# Altium PCB Блок 1а (БУ АРМ).PcbDoc (part 1 of 4) (continued)
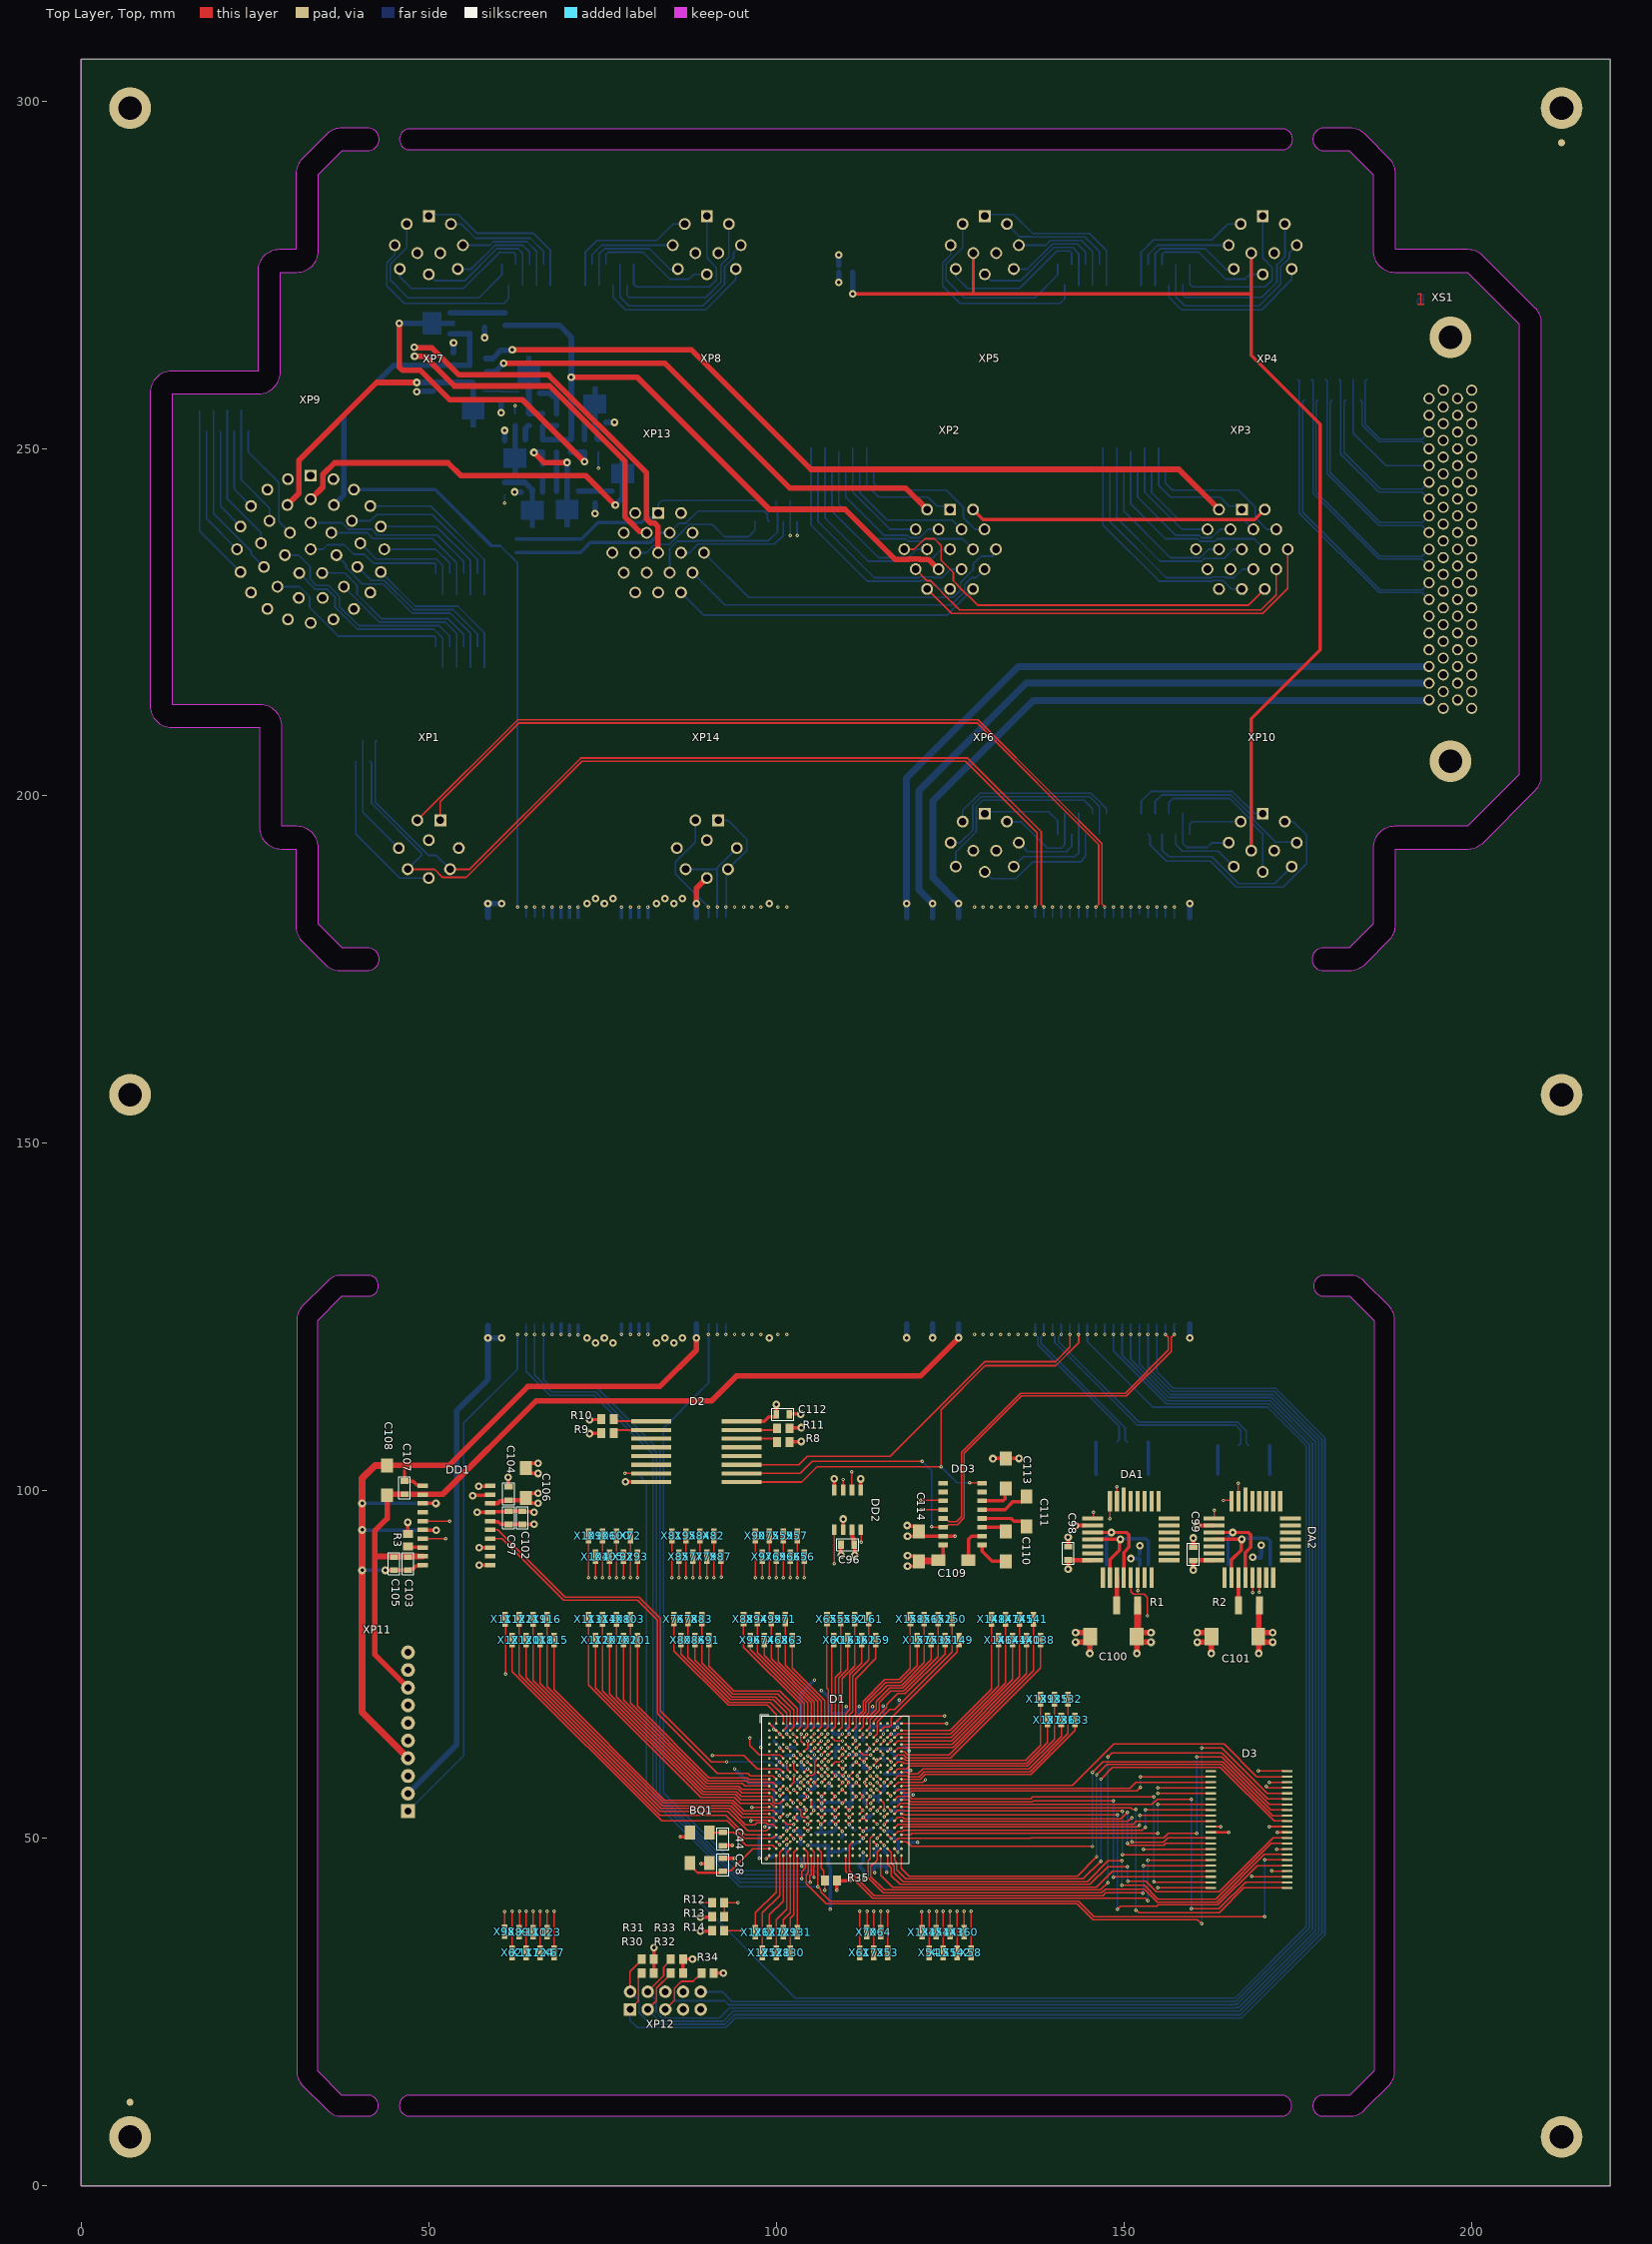
[diagram p0: Top Layer, Top view]
## Components (designator, comment, footprint, x,y, rotation, side; value= is the part's Value field where it differs from the comment) (continued)
N67 "CONT" ПЛАН_ПЛОЩ 65.25,124 r270 bottom
N68 "CONT" ПЛАН_ПЛОЩ 65.25,182.5 r270 bottom
N69 "CONT" ПЛАН_ПЛОЩ 90.25,124 r270 bottom
N70 "CONT" ПЛАН_ПЛОЩ 90.25,182.5 r270 bottom
N75 "CONT" ПЛАН_ПЛОЩ 138.5,124 r270 bottom
N76 "CONT" ПЛАН_ПЛОЩ 138.5,182.5 r270 bottom
N77 "CONT" ПЛАН_ПЛОЩ 137.25,182.5 r270 bottom
N78 "CONT" ПЛАН_ПЛОЩ 137.25,124 r270 bottom
N79 "CONT" ПЛАН_ПЛОЩ 141,182.5 r270 bottom
N80 "CONT" ПЛАН_ПЛОЩ 141,124 r270 bottom
N81 "CONT" ПЛАН_ПЛОЩ 139.75,182.5 r270 bottom
N82 "CONT" ПЛАН_ПЛОЩ 139.75,124 r270 bottom
R1 "2 Ом" P1-12-0.5(1210) 150.5,83.5 r180 top
R2 "2 Ом" P1-12-0.5(1210) 168,83.5 r180 top
R3 "12кОм" P1-12-0.125(0805) 47,92.875 r90 top
R4 "56 Ом" P1-12-0.5(1210) 152,107 r180 bottom
R5 "56 Ом" P1-12-0.5(1210) 147.5,107 r0 bottom
R6 "56 Ом" P1-12-0.5(1210) 169.5,106.5 r180 bottom
R7 "56 Ом" P1-12-0.5(1210) 165,106.5 r0 bottom
R8 "47кОм" P1-12-0.125(0805) 101,107 r0 top
R9 "47кОм" P1-12-0.125(0805) 75.7,108.309 r180 top
R10 "47кОм" P1-12-0.125(0805) 75.7,110.309 r180 top
R11 "47кОм" P1-12-0.125(0805) 101,109 r0 top
R12 "47кОм" P1-12-0.125(0805) 91.65,40.7 r0 top
R13 "47кОм" P1-12-0.125(0805) 91.65,38.7 r0 top
R14 "47кОм" P1-12-0.125(0805) 91.65,36.7 r0 top
R15 "47кОм" P1-12-0.125(0805) 62.393,254.129 r270 bottom
R16 "47кОм" P1-12-0.125(0805) 60.893,244.254 r90 bottom
R17 "47кОм" P1-12-0.125(0805) 74.393,250.379 r90 bottom
R18 "47кОм" P1-12-0.125(0805) 66.393,254.129 r270 bottom
R19 "47кОм" P1-12-0.125(0805) 64.393,254.129 r90 bottom
R20 "47кОм" P1-12-0.125(0805) 66.393,250.379 r90 bottom
R21 "47кОм" P1-12-0.125(0805) 66.393,246.879 r90 bottom
R22 "47кОм" P1-12-0.125(0805) 70.393,250.379 r90 bottom
R23 "47кОм" P1-12-0.125(0805) 72.393,250.379 r270 bottom
R24 "47кОм" P1-12-0.125(0805) 60.393,257.379 r270 bottom
R25 "47кОм" P1-12-0.125(0805) 73.893,242.879 r270 bottom
R26 "47кОм" P1-12-0.125(0805) 53.548,262.889 r90 bottom
R27 "47кОм" P1-12-0.125(0805) 68.393,254.129 r270 bottom
R28 "47кОм" P1-12-0.125(0805) 68.393,250.379 r90 bottom
R29 "47кОм" P1-12-0.125(0805) 61,268.625 r270 bottom
R30 "47кОм" P1-12-0.125(0805) 81.496,30.592 r0 top
R31 "47кОм" P1-12-0.125(0805) 81.496,32.592 r0 top
R32 "47кОм" P1-12-0.125(0805) 85.696,30.592 r0 top
R33 "47кОм" P1-12-0.125(0805) 85.696,32.592 r0 top
R34 "47кОм" P1-12-0.125(0805) 90.1,30.6 r0 top
R35 "10кОм" P1-12-0.125(0805) 107.851,43.915 r0 top
VD1 "2Д707АС9" KT-46 57,262 r270 bottom
VD2 "2Д707АС9" KT-46 57,267.5 r90 bottom
VD3 "2ДШ2123Г95" KT-99-1 56.393,258.154 r0 bottom
VD4 "2ДШ2123Г95" KT-99-1 77.893,243.854 r180 bottom
VD5 "2Д707АС9" KT-46 61.4,236 r270 bottom
VT1 "2T665A9" KT-99-1 62.393,251.154 r0 bottom
VT2 "2T665A9" KT-99-1 64.893,243.654 r0 bottom
VT3 "2T665A9" KT-99-1 73.893,253.854 r180 bottom
VT4 "2T664A9" KT-99-1 64.393,258.254 r180 bottom
VT5 "2T664A9" KT-99-1 69.893,243.754 r0 bottom
VT6 "2T664A9" KT-99-1 53,268 r270 bottom
X1 "CONT" ПЛАН_ПЛОЩ 42.5,208 r270 bottom
X2 "CONT" ПЛАН_ПЛОЩ 41.5,205 r90 bottom
X3 "CONT" ПЛАН_ПЛОЩ 39.5,205 r270 bottom
X4 "CONT" ПЛАН_ПЛОЩ 159.5,276.5 r270 bottom
X5 "CONT" ПЛАН_ПЛОЩ 158.5,273.5 r270 bottom
X6 "CONT" ПЛАН_ПЛОЩ 157.5,276.5 r270 bottom
X7 "CONT" ПЛАН_ПЛОЩ 156.5,273.5 r270 bottom
X8 "CONT" ПЛАН_ПЛОЩ 155.5,276.5 r270 bottom
X9 "CONT" ПЛАН_ПЛОЩ 154.5,273.5 r270 bottom
X10 "CONT" ПЛАН_ПЛОЩ 153.5,276.5 r270 bottom
X11 "CONT" ПЛАН_ПЛОЩ 152.5,273.5 r270 bottom
X12 "CONT" ПЛАН_ПЛОЩ 147.5,273.5 r90 bottom
X13 "CONT" ПЛАН_ПЛОЩ 146.5,276.5 r270 bottom
X14 "CONT" ПЛАН_ПЛОЩ 145.5,273.5 r270 bottom
X15 "CONT" ПЛАН_ПЛОЩ 144.5,276.5 r270 bottom
X16 "CONT" ПЛАН_ПЛОЩ 143.5,273.5 r270 bottom
X17 "CONT" ПЛАН_ПЛОЩ 142.5,276.5 r270 bottom
X18 "CONT" ПЛАН_ПЛОЩ 141.5,273.5 r270 bottom
X19 "CONT" ПЛАН_ПЛОЩ 140.5,276.5 r270 bottom
X20 "CONT" ПЛАН_ПЛОЩ 140.5,194.5 r270 bottom
X21 "CONT" ПЛАН_ПЛОЩ 141.5,197.5 r270 bottom
X22 "CONT" ПЛАН_ПЛОЩ 142.5,194.5 r90 bottom
X23 "CONT" ПЛАН_ПЛОЩ 143.5,197.5 r270 bottom
X24 "CONT" ПЛАН_ПЛОЩ 144.5,194.5 r270 bottom
X25 "CONT" ПЛАН_ПЛОЩ 145.5,197.5 r270 bottom
X26 "CONT" ПЛАН_ПЛОЩ 146.5,194.5 r270 bottom
X27 "CONT" ПЛАН_ПЛОЩ 147.5,197.5 r270 bottom
X28 "CONT" ПЛАН_ПЛОЩ 67.5,273.5 r90 bottom
X29 "CONT" ПЛАН_ПЛОЩ 66.5,276.5 r270 bottom
X30 "CONT" ПЛАН_ПЛОЩ 65.5,273.5 r270 bottom
X31 "CONT" ПЛАН_ПЛОЩ 64.5,276.5 r270 bottom
X32 "CONT" ПЛАН_ПЛОЩ 63.5,273.5 r270 bottom
X33 "CONT" ПЛАН_ПЛОЩ 62.5,276.5 r270 bottom
X34 "CONT" ПЛАН_ПЛОЩ 61.5,273.5 r270 bottom
X35 "CONT" ПЛАН_ПЛОЩ 60.5,276.5 r270 bottom
X36 "CONT" ПЛАН_ПЛОЩ 79.5,276.5 r270 bottom
X37 "CONT" ПЛАН_ПЛОЩ 78.5,273.5 r270 bottom
X38 "CONT" ПЛАН_ПЛОЩ 77.5,276.5 r270 bottom
X39 "CONT" ПЛАН_ПЛОЩ 76.5,273.5 r270 bottom
X40 "CONT" ПЛАН_ПЛОЩ 75.5,276.5 r270 bottom
X41 "CONT" ПЛАН_ПЛОЩ 74.5,273.5 r270 bottom
X42 "CONT" ПЛАН_ПЛОЩ 73.5,276.5 r270 bottom
X43 "CONT" ПЛАН_ПЛОЩ 72.5,273.5 r270 bottom
X44 "CONT" ПЛАН_ПЛОЩ 152.5,197.5 r90 bottom
X45 "CONT" ПЛАН_ПЛОЩ 153.5,194.5 r90 bottom
X46 "CONT" ПЛАН_ПЛОЩ 154.5,197.5 r90 bottom
X47 "CONT" ПЛАН_ПЛОЩ 155.5,194.5 r90 bottom
X48 "CONT" ПЛАН_ПЛОЩ 156.5,197.5 r90 bottom
X49 "CONT" ПЛАН_ПЛОЩ 157.5,194.5 r90 bottom
X50 "CONT" ПЛАН_ПЛОЩ 158.5,197.5 r90 bottom
X51 "CONT" ПЛАН_ПЛОЩ 159.5,194.5 r90 bottom
X52 "CONT" ПЛАН_ПЛОЩ 111.292,81.536 r270 top
X53 "CONT" ПЛАН_ПЛОЩ 116,33.5 r270 top
X54 "CONT" ПЛАН_ПЛОЩ 122,33.5 r270 top
X55 "CONT" ПЛАН_ПЛОЩ 109.292,81.536 r270 top
X56 "CONT" ПЛАН_ПЛОЩ 104,90.5 r270 top
X57 "CONT" ПЛАН_ПЛОЩ 103,93.5 r270 top
X58 "CONT" ПЛАН_ПЛОЩ 128,33.5 r270 top
X59 "CONT" ПЛАН_ПЛОЩ 101,93.5 r270 top
X60 "CONT" ПЛАН_ПЛОЩ 108.292,78.536 r270 top
X61 "CONT" ПЛАН_ПЛОЩ 112,33.5 r270 top
X62 "CONT" ПЛАН_ПЛОЩ 62,33.5 r270 top
X63 "CONT" ПЛАН_ПЛОЩ 102.292,78.536 r270 top
X64 "CONT" ПЛАН_ПЛОЩ 115,36.5 r270 top
X65 "CONT" ПЛАН_ПЛОЩ 107.292,81.536 r270 top
X66 "CONT" ПЛАН_ПЛОЩ 102,90.5 r270 top
X67 "CONT" ПЛАН_ПЛОЩ 68,33.5 r270 top
X68 "CONT" ПЛАН_ПЛОЩ 100.292,78.536 r270 top
X69 "CONT" ПЛАН_ПЛОЩ 100,90.5 r270 top
X70 "CONT" ПЛАН_ПЛОЩ 113,36.5 r270 top
X71 "CONT" ПЛАН_ПЛОЩ 101.292,81.536 r270 top
X72 "CONT" ПЛАН_ПЛОЩ 79,93.5 r270 top
X73 "CONT" ПЛАН_ПЛОЩ 114,33.5 r270 top
X74 "CONT" ПЛАН_ПЛОЩ 98.292,78.536 r270 top
X75 "CONT" ПЛАН_ПЛОЩ 99,93.5 r270 top
X76 "CONT" ПЛАН_ПЛОЩ 85.292,81.536 r270 top
X77 "CONT" ПЛАН_ПЛОЩ 88,90.5 r270 top
X78 "CONT" ПЛАН_ПЛОЩ 87.292,81.536 r270 top
X79 "CONT" ПЛАН_ПЛОЩ 90,90.5 r270 top
X80 "CONT" ПЛАН_ПЛОЩ 86.292,78.536 r270 top
X81 "CONT" ПЛАН_ПЛОЩ 85,93.5 r270 top
X82 "CONT" ПЛАН_ПЛОЩ 91,93.5 r270 top
X83 "CONT" ПЛАН_ПЛОЩ 89.292,81.536 r270 top
X84 "CONT" ПЛАН_ПЛОЩ 89,93.5 r270 top
X85 "CONT" ПЛАН_ПЛОЩ 86,90.5 r270 top
X86 "CONT" ПЛАН_ПЛОЩ 88.292,78.536 r270 top
X87 "CONT" ПЛАН_ПЛОЩ 92,90.5 r270 top
X88 "CONT" ПЛАН_ПЛОЩ 95.292,81.536 r270 top
X89 "CONT" ПЛАН_ПЛОЩ 63,36.5 r270 top
X90 "CONT" ПЛАН_ПЛОЩ 97,93.5 r270 top
X91 "CONT" ПЛАН_ПЛОЩ 90.292,78.536 r270 top
X92 "CONT" ПЛАН_ПЛОЩ 78,90.5 r270 top
X93 "CONT" ПЛАН_ПЛОЩ 80,90.5 r270 top
X94 "CONT" ПЛАН_ПЛОЩ 97.292,81.536 r270 top
X95 "CONT" ПЛАН_ПЛОЩ 87,93.5 r270 top
X96 "CONT" ПЛАН_ПЛОЩ 96.292,78.536 r270 top
X97 "CONT" ПЛАН_ПЛОЩ 98,90.5 r270 top
X98 "CONT" ПЛАН_ПЛОЩ 60.934,36.567 r270 top
X99 "CONT" ПЛАН_ПЛОЩ 99.292,81.536 r270 top
X100 "CONT" ПЛАН_ПЛОЩ 77,93.5 r270 top
X101 "CONT" ПЛАН_ПЛОЩ 80,78.5 r270 top
X102 "CONT" ПЛАН_ПЛОЩ 78,78.5 r270 top
X103 "CONT" ПЛАН_ПЛОЩ 79,81.5 r270 top
X104 "CONT" ПЛАН_ПЛОЩ 74,90.5 r270 top
X105 "CONT" ПЛАН_ПЛОЩ 76,90.5 r270 top
X106 "CONT" ПЛАН_ПЛОЩ 75,93.5 r270 top
X107 "CONT" ПЛАН_ПЛОЩ 76,78.5 r270 top
X108 "CONT" ПЛАН_ПЛОЩ 77,81.5 r270 top
X109 "CONT" ПЛАН_ПЛОЩ 73,93.5 r270 top
X110 "CONT" ПЛАН_ПЛОЩ 65,36.5 r270 top
X111 "CONT" ПЛАН_ПЛОЩ 61,81.5 r270 top
X112 "CONT" ПЛАН_ПЛОЩ 74,78.5 r270 top
X113 "CONT" ПЛАН_ПЛОЩ 73,81.5 r270 top
X114 "CONT" ПЛАН_ПЛОЩ 75,81.5 r270 top
X115 "CONT" ПЛАН_ПЛОЩ 68,78.5 r270 top
X116 "CONT" ПЛАН_ПЛОЩ 67,81.5 r270 top
X117 "CONT" ПЛАН_ПЛОЩ 64,33.5 r270 top
X118 "CONT" ПЛАН_ПЛОЩ 66,78.5 r270 top
X119 "CONT" ПЛАН_ПЛОЩ 65,81.5 r270 top
X120 "CONT" ПЛАН_ПЛОЩ 64,78.5 r270 top
X121 "CONT" ПЛАН_ПЛОЩ 62,78.5 r270 top
X122 "CONT" ПЛАН_ПЛОЩ 63,81.5 r270 top
X123 "CONT" ПЛАН_ПЛОЩ 67,36.5 r270 top
X124 "CONT" ПЛАН_ПЛОЩ 66,33.5 r270 top
X125 "CONT" ПЛАН_ПЛОЩ 98,33.5 r270 top
X126 "CONT" ПЛАН_ПЛОЩ 97,36.5 r270 top
X127 "CONT" ПЛАН_ПЛОЩ 99,36.5 r270 top
X128 "CONT" ПЛАН_ПЛОЩ 100,33.5 r270 top
X129 "CONT" ПЛАН_ПЛОЩ 101,36.5 r270 top
X130 "CONT" ПЛАН_ПЛОЩ 102,33.5 r270 top
X131 "CONT" ПЛАН_ПЛОЩ 103,36.5 r270 top
X132 "CONT" ПЛАН_ПЛОЩ 142,70 r90 top
X133 "CONT" ПЛАН_ПЛОЩ 143,67 r90 top
X134 "CONT" ПЛАН_ПЛОЩ 121,36.5 r270 top
X135 "CONT" ПЛАН_ПЛОЩ 140,70 r90 top
X136 "CONT" ПЛАН_ПЛОЩ 141,67 r90 top
X137 "CONT" ПЛАН_ПЛОЩ 139,67 r90 top
X138 "CONT" ПЛАН_ПЛОЩ 138,78.5 r270 top
X139 "CONT" ПЛАН_ПЛОЩ 138,70 r90 top
X140 "CONT" ПЛАН_ПЛОЩ 136,78.5 r270 top
X141 "CONT" ПЛАН_ПЛОЩ 137,81.5 r270 top
X142 "CONT" ПЛАН_ПЛОЩ 126,33.5 r270 top
X143 "CONT" ПЛАН_ПЛОЩ 125,36.5 r270 top
X144 "CONT" ПЛАН_ПЛОЩ 134,78.5 r270 top
X145 "CONT" ПЛАН_ПЛОЩ 135,81.5 r270 top
X146 "CONT" ПЛАН_ПЛОЩ 132,78.5 r270 top
X147 "CONT" ПЛАН_ПЛОЩ 133,81.5 r270 top
X148 "CONT" ПЛАН_ПЛОЩ 131,81.5 r270 top
X149 "CONT" ПЛАН_ПЛОЩ 126.292,78.536 r270 top
X150 "CONT" ПЛАН_ПЛОЩ 125.292,81.536 r270 top
X151 "CONT" ПЛАН_ПЛОЩ 124.292,78.536 r270 top
X152 "CONT" ПЛАН_ПЛОЩ 123.292,81.536 r270 top
X153 "CONT" ПЛАН_ПЛОЩ 122.292,78.536 r270 top
X154 "CONT" ПЛАН_ПЛОЩ 123,36.5 r270 top
X155 "CONT" ПЛАН_ПЛОЩ 124,33.5 r270 top
X156 "CONT" ПЛАН_ПЛОЩ 121.292,81.536 r270 top
X157 "CONT" ПЛАН_ПЛОЩ 120.292,78.536 r270 top
X158 "CONT" ПЛАН_ПЛОЩ 119.292,81.536 r270 top
X159 "CONT" ПЛАН_ПЛОЩ 114.292,78.536 r270 top
X160 "CONT" ПЛАН_ПЛОЩ 127,36.5 r270 top
X161 "CONT" ПЛАН_ПЛОЩ 113.292,81.536 r270 top
X162 "CONT" ПЛАН_ПЛОЩ 112.292,78.536 r270 top
X163 "CONT" ПЛАН_ПЛОЩ 110.292,78.536 r270 top
X164 "CONT" ПЛАН_ПЛОЩ 98,242.5 r270 bottom
X165 "CONT" ПЛАН_ПЛОЩ 152,247 r270 bottom
X166 "CONT" ПЛАН_ПЛОЩ 149,250 r270 bottom
X167 "CONT" ПЛАН_ПЛОЩ 99,239.5 r270 bottom
X168 "CONT" ПЛАН_ПЛОЩ 110,247 r270 bottom
X169 "CONT" ПЛАН_ПЛОЩ 107,250 r270 bottom
X170 "CONT" ПЛАН_ПЛОЩ 175,260 r270 bottom
X171 "CONT" ПЛАН_ПЛОЩ 176,257 r270 bottom
X172 "CONT" ПЛАН_ПЛОЩ 177,260 r270 bottom
X173 "CONT" ПЛАН_ПЛОЩ 178,257 r270 bottom
X174 "CONT" ПЛАН_ПЛОЩ 179,260 r270 bottom
X175 "CONT" ПЛАН_ПЛОЩ 180,257 r270 bottom
X176 "CONT" ПЛАН_ПЛОЩ 181,260 r270 bottom
X177 "CONT" ПЛАН_ПЛОЩ 182,257 r270 bottom
X178 "CONT" ПЛАН_ПЛОЩ 183,260 r270 bottom
X179 "CONT" ПЛАН_ПЛОЩ 184,257 r270 bottom
X180 "CONT" ПЛАН_ПЛОЩ 185,260 r270 bottom
X181 "CONT" ПЛАН_ПЛОЩ 57,232 r270 bottom
X182 "CONT" ПЛАН_ПЛОЩ 54,229 r270 bottom
X183 "CONT" ПЛАН_ПЛОЩ 51,232 r270 bottom
X184 "CONT" ПЛАН_ПЛОЩ 156,247 r270 bottom
X185 "CONT" ПЛАН_ПЛОЩ 153,250 r270 bottom
X186 "CONT" ПЛАН_ПЛОЩ 23,255.5 r270 bottom
X187 "CONT" ПЛАН_ПЛОЩ 55,232 r270 bottom
X188 "CONT" ПЛАН_ПЛОЩ 24,252.5 r270 bottom
X189 "CONT" ПЛАН_ПЛОЩ 114,247 r270 bottom
X190 "CONT" ПЛАН_ПЛОЩ 111,250 r270 bottom
X191 "CONT" ПЛАН_ПЛОЩ 58,229 r90 bottom
X192 "CONT" ПЛАН_ПЛОЩ 56,229 r270 bottom
X193 "CONT" ПЛАН_ПЛОЩ 53,232 r270 bottom
X194 "CONT" ПЛАН_ПЛОЩ 155,250 r270 bottom
X195 "CONT" ПЛАН_ПЛОЩ 154,247 r270 bottom
X196 "CONT" ПЛАН_ПЛОЩ 18,252.5 r270 bottom
X197 "CONT" ПЛАН_ПЛОЩ 20,252.5 r270 bottom
X198 "CONT" ПЛАН_ПЛОЩ 22,252.5 r270 bottom
X199 "CONT" ПЛАН_ПЛОЩ 113,250 r270 bottom
X200 "CONT" ПЛАН_ПЛОЩ 112,247 r270 bottom
X201 "CONT" ПЛАН_ПЛОЩ 100,242.5 r270 bottom
X202 "CONT" ПЛАН_ПЛОЩ 106,247 r270 bottom
X203 "CONT" ПЛАН_ПЛОЩ 148,247 r270 bottom
X204 "CONT" ПЛАН_ПЛОЩ 40.5,208 r270 bottom
X205 "CONT" ПЛАН_ПЛОЩ 97,239.5 r270 bottom
X206 "CONT" ПЛАН_ПЛОЩ 101,239.5 r270 bottom
X207 "CONT" ПЛАН_ПЛОЩ 58,218.5 r270 bottom
X208 "CONT" ПЛАН_ПЛОЩ 57,221.5 r270 bottom
X209 "CONT" ПЛАН_ПЛОЩ 54,218.5 r270 bottom
X210 "CONT" ПЛАН_ПЛОЩ 151,250 r270 bottom
X211 "CONT" ПЛАН_ПЛОЩ 150,247 r270 bottom
X212 "CONT" ПЛАН_ПЛОЩ 17,255.5 r270 bottom
X213 "CONT" ПЛАН_ПЛОЩ 51,221.5 r270 bottom
X214 "CONT" ПЛАН_ПЛОЩ 19,255.5 r270 bottom
X215 "CONT" ПЛАН_ПЛОЩ 109,250 r270 bottom
X216 "CONT" ПЛАН_ПЛОЩ 108,247 r270 bottom
X217 "CONT" ПЛАН_ПЛОЩ 52,229 r270 bottom
X218 "CONT" ПЛАН_ПЛОЩ 56,218.5 r270 bottom
X219 "CONT" ПЛАН_ПЛОЩ 55,221.5 r270 bottom
X220 "CONT" ПЛАН_ПЛОЩ 147,250 r270 bottom
X221 "CONT" ПЛАН_ПЛОЩ 21,255.5 r270 bottom
X222 "CONT" ПЛАН_ПЛОЩ 52,218.5 r270 bottom
X223 "CONT" ПЛАН_ПЛОЩ 53,221.5 r270 bottom
X224 "CONT" ПЛАН_ПЛОЩ 105,250 r270 bottom
X225 "CONT" ПЛАН_ПЛОЩ 109,276 r270 bottom
X226 "CONT" ПЛАН_ПЛОЩ 111,276 r270 bottom
X227 "CONT" ПЛАН_ПЛОЩ 103,239.5 r270 bottom
X228 "CONT" ПЛАН_ПЛОЩ 102,242.5 r270 bottom
XP1 "СНЦ144-8" XP_СНЦ144-8_13-Вилка 50,192.5 r0 top locked value="Вилка СНЦ144-8/13ВП21-NWПС"
XP2 "СНЦ144-19" XP_СНЦ144-19/15-вилка 125,235.5 r0 top locked value="Вилка СНЦ144-19/15ВП21-NWПС"
XP3 "СНЦ144-19" XP_СНЦ144-19/15-вилка 167,235.5 r0 top locked value="Вилка СНЦ144-19/15ВП21-NWПС"
XP4 "СНЦ144-10" XP_СНЦ144-10_13-вилка 170,278.5 r0 top locked value="Вилка СНЦ144-10/13ВП21-NWПС"
XP5 "СНЦ144-10" XP_СНЦ144-10_13-вилка 130,278.5 r0 top locked value="Вилка СНЦ144-10/13ВП21-NWПС"
XP6 "СНЦ144-10" XP_СНЦ144-10_13-вилка 130,192.5 r0 top locked value="Вилка СНЦ144-10/13ВП21-NWПС"
XP7 "СНЦ144-10" XP_СНЦ144-10_13-вилка 50,278.5 r0 top locked value="Вилка СНЦ144-10/13ВП21-NWПС"
XP8 "СНЦ144-10" XP_СНЦ144-10_13-вилка 90,278.5 r0 top locked value="Вилка СНЦ144-10/13ВП21-NWПС"
XP9 "СНЦ144-41" XP_СНЦ144-41_21-вилка 33,235.5 r0 top locked value="Вилка СНЦ144-41/21ВП21-NWПС"
XP10 "СНЦ144-10" XP_СНЦ144-10_13-вилка 170,192.5 r0 top locked value="Вилка СНЦ144-10/13ВП21-NWПС"
XP11 "PBS-10(R)" PBS-10R 47,65.31 r90 top value="B10B-PUDSS-1, JST (JAPAN SOLDERLESS TERMINALS)"
XP12 "ARM10PIN_КОНТ" PLD-10 84.04,26.63 r0 top value="Вилка СНП346-10ВП21-2В"
XP13 "СНЦ144-19" XP_СНЦ144-19/15-вилка 83,235 r0 top locked value="Вилка СНЦ144-19/15ВП21-NWПС"
XP14 "СНЦ144-8" XP_СНЦ144-8_13-Вилка 90,192.5 r0 top locked value="Вилка СНЦ144-8/13ВП21-NWПС"
XS1 "ВИЛКА DS1077-78M" DS-1077-78F 197,235.5 r0 top locked value="DS1077-78FB8(0)TSS, Connfly Electronic"
Т1 "#NAME?" ТИЛ6В 149.8,95.85 r90 bottom
Т2 "#NAME?" ТИЛ6В 167.3,95.85 r90 bottom

## Footprints (in the part's own frame and the unit in brackets; to place one, negate y for a bottom-side part, rotate by r counter-clockwise, add the part's x,y. Pads: shape width x height; smd on the part's side, far side on the other; paste and mask are expansions set on the pad)
1554КП12ТБ [mm]
  rect 5.75x0.6 smd paste-25.4 mask-25.4: 1(-6.525,4.5) 2(-6.525,3.25) 3(-6.525,2) 4(-6.525,0.75) 5(-6.525,-0.5) 6(-6.525,-1.75) 7(-6.525,-3) 8(-6.525,-4.25) 9(6.525,-4.25) 10(6.525,-3) 11(6.525,-1.75) 12(6.525,-0.5) 13(6.525,0.75) 14(6.525,2) 15(6.525,3.25) 16(6.525,4.5)
BGA-400_21.0X21.0MM_LAYOUT20X20_P1.0MM [mm]
  round 0.39 smd: A1(-9.5,9.5) A2(-8.5,9.5) A3(-7.5,9.5) A4(-6.5,9.5) A5(-5.5,9.5) A6(-4.5,9.5) A7(-3.5,9.5) A8(-2.5,9.5) A9(-1.5,9.5) A10(-0.5,9.5) A11(0.5,9.5) A12(1.5,9.5) A13(2.5,9.5) A14(3.5,9.5) A15(4.5,9.5) A16(5.5,9.5) A17(6.5,9.5) A18(7.5,9.5) A19(8.5,9.5) A20(9.5,9.5) B1(-9.5,8.5) B2(-8.5,8.5) B3(-7.5,8.5) B4(-6.5,8.5) B5(-5.5,8.5) B6(-4.5,8.5) B7(-3.5,8.5) B8(-2.5,8.5) B9(-1.5,8.5) B10(-0.5,8.5) B11(0.5,8.5) B12(1.5,8.5) B13(2.5,8.5) B14(3.5,8.5) B15(4.5,8.5) B16(5.5,8.5) B17(6.5,8.5) B18(7.5,8.5) B19(8.5,8.5) B20(9.5,8.5) C1(-9.5,7.5) C2(-8.5,7.5) C3(-7.5,7.5) C4(-6.5,7.5) C5(-5.5,7.5) C6(-4.5,7.5) C7(-3.5,7.5) C8(-2.5,7.5) C9(-1.5,7.5) C10(-0.5,7.5) C11(0.5,7.5) C12(1.5,7.5) C13(2.5,7.5) C14(3.5,7.5) C15(4.5,7.5) C16(5.5,7.5) C17(6.5,7.5) C18(7.5,7.5) C19(8.5,7.5) C20(9.5,7.5) D1(-9.5,6.5) D2(-8.5,6.5) D3(-7.5,6.5) D4(-6.5,6.5) D5(-5.5,6.5) D6(-4.5,6.5) D7(-3.5,6.5) D8(-2.5,6.5) D9(-1.5,6.5) D10(-0.5,6.5) D11(0.5,6.5) D12(1.5,6.5) D13(2.5,6.5) D14(3.5,6.5) D15(4.5,6.5) D16(5.5,6.5) D17(6.5,6.5) D18(7.5,6.5) D19(8.5,6.5) D20(9.5,6.5) E1(-9.5,5.5) E2(-8.5,5.5) E3(-7.5,5.5) E4(-6.5,5.5) E5(-5.5,5.5) E6(-4.5,5.5) E7(-3.5,5.5) E8(-2.5,5.5) E9(-1.5,5.5) E10(-0.5,5.5) E11(0.5,5.5) E12(1.5,5.5) E13(2.5,5.5) E14(3.5,5.5) E15(4.5,5.5) E16(5.5,5.5) E17(6.5,5.5) E18(7.5,5.5) E19(8.5,5.5) E20(9.5,5.5) F1(-9.5,4.5) F2(-8.5,4.5) F3(-7.5,4.5) F4(-6.5,4.5) F5(-5.5,4.5) F6(-4.5,4.5) F7(-3.5,4.5) F8(-2.5,4.5) F9(-1.5,4.5) F10(-0.5,4.5) F11(0.5,4.5) F12(1.5,4.5) F13(2.5,4.5) F14(3.5,4.5) F15(4.5,4.5) F16(5.5,4.5) F17(6.5,4.5) F18(7.5,4.5) F19(8.5,4.5) F20(9.5,4.5) G1(-9.5,3.5) G2(-8.5,3.5) G3(-7.5,3.5) G4(-6.5,3.5) G5(-5.5,3.5) G6(-4.5,3.5) G7(-3.5,3.5) G8(-2.5,3.5) G9(-1.5,3.5) G10(-0.5,3.5) G11(0.5,3.5) G12(1.5,3.5) G13(2.5,3.5) G14(3.5,3.5) G15(4.5,3.5) G16(5.5,3.5) G17(6.5,3.5) G18(7.5,3.5) G19(8.5,3.5) G20(9.5,3.5) H1(-9.5,2.5) H2(-8.5,2.5) H3(-7.5,2.5) H4(-6.5,2.5) H5(-5.5,2.5) H6(-4.5,2.5) H7(-3.5,2.5) H8(-2.5,2.5) H9(-1.5,2.5) H10(-0.5,2.5) H11(0.5,2.5) H12(1.5,2.5) H13(2.5,2.5) H14(3.5,2.5) H15(4.5,2.5) H16(5.5,2.5) H17(6.5,2.5) H18(7.5,2.5) H19(8.5,2.5) H20(9.5,2.5) J1(-9.5,1.5) J2(-8.5,1.5) J3(-7.5,1.5) J4(-6.5,1.5) J5(-5.5,1.5) J6(-4.5,1.5) J7(-3.5,1.5) J8(-2.5,1.5) J9(-1.5,1.5) J10(-0.5,1.5) J11(0.5,1.5) J12(1.5,1.5) J13(2.5,1.5) J14(3.5,1.5) J15(4.5,1.5) J16(5.5,1.5) J17(6.5,1.5) J18(7.5,1.5) J19(8.5,1.5) J20(9.5,1.5) K1(-9.5,0.5) K2(-8.5,0.5) K3(-7.5,0.5) K4(-6.5,0.5) K5(-5.5,0.5) K6(-4.5,0.5) K7(-3.5,0.5) K8(-2.5,0.5) K9(-1.5,0.5) K10(-0.5,0.5) K11(0.5,0.5) K12(1.5,0.5) K13(2.5,0.5) K14(3.5,0.5) K15(4.5,0.5) K16(5.5,0.5) K17(6.5,0.5) K18(7.5,0.5) K19(8.5,0.5) K20(9.5,0.5) L1(-9.5,-0.5) L2(-8.5,-0.5) L3(-7.5,-0.5) L4(-6.5,-0.5) L5(-5.5,-0.5) L6(-4.5,-0.5) L7(-3.5,-0.5) L8(-2.5,-0.5) L9(-1.5,-0.5) L10(-0.5,-0.5) L11(0.5,-0.5) L12(1.5,-0.5) L13(2.5,-0.5) L14(3.5,-0.5) L15(4.5,-0.5) L16(5.5,-0.5) L17(6.5,-0.5) L18(7.5,-0.5) L19(8.5,-0.5) L20(9.5,-0.5) M1(-9.5,-1.5) M2(-8.5,-1.5) M3(-7.5,-1.5) M4(-6.5,-1.5) M5(-5.5,-1.5) M6(-4.5,-1.5) M7(-3.5,-1.5) M8(-2.5,-1.5) M9(-1.5,-1.5) M10(-0.5,-1.5) M11(0.5,-1.5) M12(1.5,-1.5) M13(2.5,-1.5) M14(3.5,-1.5) M15(4.5,-1.5) M16(5.5,-1.5) M17(6.5,-1.5) M18(7.5,-1.5) M19(8.5,-1.5) M20(9.5,-1.5) N1(-9.5,-2.5) N2(-8.5,-2.5) N3(-7.5,-2.5) N4(-6.5,-2.5) N5(-5.5,-2.5) N6(-4.5,-2.5) N7(-3.5,-2.5) N8(-2.5,-2.5) N9(-1.5,-2.5) N10(-0.5,-2.5) N11(0.5,-2.5) N12(1.5,-2.5) N13(2.5,-2.5) N14(3.5,-2.5) N15(4.5,-2.5) N16(5.5,-2.5) N17(6.5,-2.5) N18(7.5,-2.5) N19(8.5,-2.5) N20(9.5,-2.5) P1(-9.5,-3.5) P2(-8.5,-3.5) P3(-7.5,-3.5) P4(-6.5,-3.5) P5(-5.5,-3.5) P6(-4.5,-3.5) P7(-3.5,-3.5) P8(-2.5,-3.5) P9(-1.5,-3.5) P10(-0.5,-3.5) P11(0.5,-3.5) P12(1.5,-3.5) P13(2.5,-3.5) P14(3.5,-3.5) P15(4.5,-3.5) P16(5.5,-3.5) P17(6.5,-3.5) P18(7.5,-3.5) P19(8.5,-3.5) P20(9.5,-3.5) Q1(-9.5,-4.5) Q2(-8.5,-4.5) Q3(-7.5,-4.5) Q4(-6.5,-4.5) Q5(-5.5,-4.5) Q6(-4.5,-4.5) Q7(-3.5,-4.5) Q8(-2.5,-4.5) Q9(-1.5,-4.5) Q10(-0.5,-4.5) Q11(0.5,-4.5) Q12(1.5,-4.5) Q13(2.5,-4.5) Q14(3.5,-4.5) Q15(4.5,-4.5) Q16(5.5,-4.5) Q17(6.5,-4.5) Q18(7.5,-4.5) Q19(8.5,-4.5) Q20(9.5,-4.5) R1(-9.5,-5.5) R2(-8.5,-5.5) R3(-7.5,-5.5) R4(-6.5,-5.5) R5(-5.5,-5.5) R6(-4.5,-5.5) R7(-3.5,-5.5) R8(-2.5,-5.5) R9(-1.5,-5.5) R10(-0.5,-5.5) R11(0.5,-5.5) R12(1.5,-5.5) R13(2.5,-5.5) R14(3.5,-5.5) R15(4.5,-5.5) R16(5.5,-5.5) R17(6.5,-5.5) R18(7.5,-5.5) R19(8.5,-5.5) R20(9.5,-5.5) S1(-9.5,-6.5) S2(-8.5,-6.5) S3(-7.5,-6.5) S4(-6.5,-6.5) S5(-5.5,-6.5) S6(-4.5,-6.5) S7(-3.5,-6.5) S8(-2.5,-6.5) S9(-1.5,-6.5) S10(-0.5,-6.5) S11(0.5,-6.5) S12(1.5,-6.5) S13(2.5,-6.5) S14(3.5,-6.5) S15(4.5,-6.5) S16(5.5,-6.5) S17(6.5,-6.5) S18(7.5,-6.5) S19(8.5,-6.5) S20(9.5,-6.5) T1(-9.5,-7.5) T2(-8.5,-7.5) T3(-7.5,-7.5) T4(-6.5,-7.5) T5(-5.5,-7.5) T6(-4.5,-7.5) T7(-3.5,-7.5) T8(-2.5,-7.5) T9(-1.5,-7.5) T10(-0.5,-7.5) T11(0.5,-7.5) T12(1.5,-7.5) T13(2.5,-7.5) T14(3.5,-7.5) T15(4.5,-7.5) T16(5.5,-7.5) T17(6.5,-7.5) T18(7.5,-7.5) T19(8.5,-7.5) T20(9.5,-7.5) U1(-9.5,-8.5) U2(-8.5,-8.5) U3(-7.5,-8.5) U4(-6.5,-8.5) U5(-5.5,-8.5) U6(-4.5,-8.5) U7(-3.5,-8.5) U8(-2.5,-8.5) U9(-1.5,-8.5) U10(-0.5,-8.5) U11(0.5,-8.5) U12(1.5,-8.5) U13(2.5,-8.5) U14(3.5,-8.5) U15(4.5,-8.5) U16(5.5,-8.5) U17(6.5,-8.5) U18(7.5,-8.5) U19(8.5,-8.5) U20(9.5,-8.5) V1(-9.5,-9.5) V2(-8.5,-9.5) V3(-7.5,-9.5) V4(-6.5,-9.5) V5(-5.5,-9.5) V6(-4.5,-9.5) V7(-3.5,-9.5) V8(-2.5,-9.5) V9(-1.5,-9.5) V10(-0.5,-9.5) V11(0.5,-9.5) V12(1.5,-9.5) V13(2.5,-9.5) V14(3.5,-9.5) V15(4.5,-9.5) V16(5.5,-9.5) V17(6.5,-9.5) V18(7.5,-9.5) V19(8.5,-9.5) V20(9.5,-9.5)
  silkscreen extent -10.8,-10.6 10.6,10.8, body extent -10.5,-10.5 10.5,10.5, height 3.15
C0805 [mm]
  rect 0.8x1.2 smd: 1(-0.95,0) 2(0.95,0)
  Top Layer, Top pour cut-out: -0.55,0.6 -0.55,-0.6 0.55,-0.6 0.55,0.6
  silkscreen extent -1.58,-0.85 1.58,0.85, body extent -1,-0.64 1,0.63, height 1.25
DS-1077-78F [mm]
  round 1.6 hole 1.1: 1(3.075,-22.895) 2(3.075,-20.485) 3(3.075,-18.075) 4(3.075,-15.665) 5(3.075,-13.255) 6(3.075,-10.845) 7(3.075,-8.435) 8(3.075,-6.025) 9(3.075,-3.615) 10(3.075,-1.205) 11(3.075,1.205) 12(3.075,3.615) 13(3.075,6.025) 14(3.075,8.435) 15(3.075,10.845) 16(3.075,13.255) 17(3.075,15.665) 18(3.075,18.075) 19(3.075,20.485) 20(3.075,22.895) 21(1.025,-21.69) 22(1.025,-19.28) 23(1.025,-16.87) 24(1.025,-14.46) 25(1.025,-12.05) 26(1.025,-9.64) 27(1.025,-7.23) 28(1.025,-4.82) 29(1.025,-2.41) 30(1.025,0) 31(1.025,2.41) 32(1.025,4.82) 33(1.025,7.23) 34(1.025,9.64) 35(1.025,12.05) 36(1.025,14.46) 37(1.025,16.87) 38(1.025,19.28) 39(1.025,21.69) 40(-1.025,-22.895) 41(-1.025,-20.485) 42(-1.025,-18.075) 43(-1.025,-15.665) 44(-1.025,-13.255) 45(-1.025,-10.845) 46(-1.025,-8.435) 47(-1.025,-6.025) 48(-1.025,-3.615) 49(-1.025,-1.205) 50(-1.025,1.205) 51(-1.025,3.615) 52(-1.025,6.025) 53(-1.025,8.435) 54(-1.025,10.845) 55(-1.025,13.255) 56(-1.025,15.665) 57(-1.025,18.075) 58(-1.025,20.485) 59(-1.025,22.895) 60(-3.075,-21.69) 61(-3.075,-19.28) 62(-3.075,-16.87) 63(-3.075,-14.46) 64(-3.075,-12.05) 65(-3.075,-9.64) 66(-3.075,-7.23) 67(-3.075,-4.82) 68(-3.075,-2.41) 69(-3.075,0) 70(-3.075,2.41) 71(-3.075,4.82) 72(-3.075,7.23) 73(-3.075,9.64) 74(-3.075,12.05) 75(-3.075,14.46) 76(-3.075,16.87) 77(-3.075,19.28) 78(-3.075,21.69)
  round 6 hole 3.4: 79(0,-30.5) 80(0,30.5)
KT-46 [mm]
  rect 0.65x1.1 smd: 1(-0.95,-1.15) 2(0.95,-1.15) 3(0,1.15)
  body extent -1.53,-1.5 1.53,1.5, height 1.2
KT-99-1 [mm]
  rect 0.7x1.2 smd: 1(-1.5,-0.1) 2(1.5,-0.1)
  round 0.5 smd paste-25.4 mask-25.4: 3(0,0)
  Top Layer, Top region: -0.35,-0.7 0.35,-0.7 0.35,1.2 1.6,1.2 1.6,3.9 0.35,3.9 0.35,5.05 -0.35,5.05 -0.35,3.9 -1.6,3.9 -1.6,1.2 -0.35,1.2
  body extent -2.3,-0.45 2.3,4.8, height 1.8
N09.28-1B [mm]
  rect 3.5x0.6 smd: 1(-5.75,-1)
  rect 3x0.6 smd: 2(-5.5,-2) 3(-5.5,-3) 11(5.5,-3) 12(5.5,-2) 13(5.5,-1) 14(5.5,0) 15(5.5,1) 16(5.5,2) 17(5.5,3) 25(-5.5,3) 26(-5.5,2) 27(-5.5,1) 28(-5.5,0) 29(5.5,-4) 30(-5.5,4)
  rect 0.6x3 smd: 4(-3,-5.5) 5(-2,-5.5) 6(-1,-5.5) 7(0,-5.5) 8(1,-5.5) 9(2,-5.5) 10(3,-5.5) 18(3,5.5) 19(2,5.5) 20(1,5.5) 21(0,5.5) 22(-1,5.5) 23(-2,5.5) 24(-3,5.5)
P1-12-0.5(1210) [mm]
  rect 1x2.6 smd: 1(-1.5,0) 2(1.5,0)
  body extent -1.6,-1.25 1.6,1.25, height 0.56
P1-12-0.125(0805) [mm]
  rect 1.15x1.4 smd: 1(-0.875,0) 2(0.875,0)
  body extent -1,-0.63 1,0.62, height 0.6